# Altium PCB uTCA_MCH_PCB3.pcbdoc (part 13 of 25) (continued)
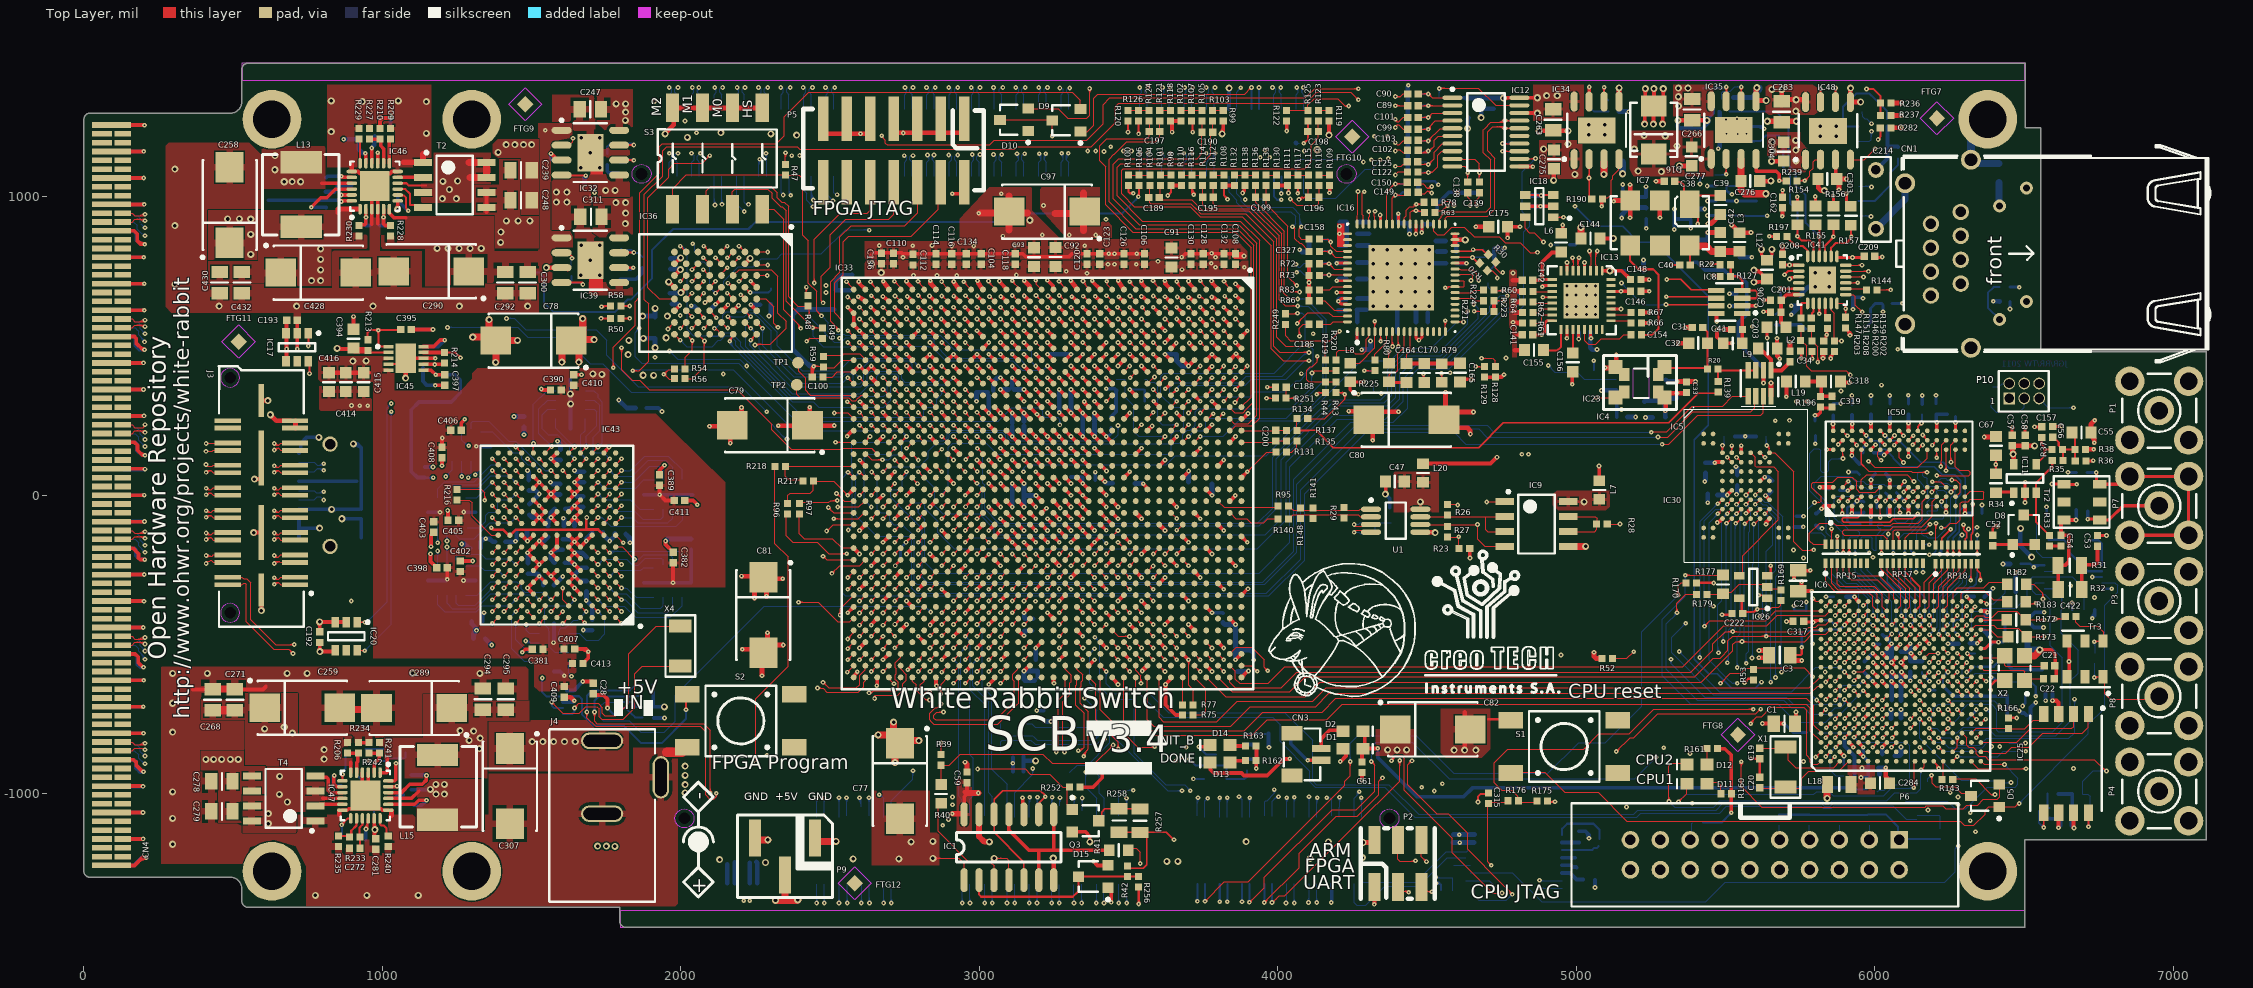
[diagram p0: Top Layer view]
## Nets (pads, with @x,y where several pads share a name; then routed paths per layer and width w, separated by ;. In a path a pad name is that pad's centre, name@x,y a point inside that pad or via, vN(x,y) a via of type N, cw(c..) or ccw(c..) an arc to the next point about the centre after c; other vN are vias at no path point) (continued)
MGTRX116_0_P: IC33.G3 J1.65 | length 1086.3
  Top Layer w3.94: v1@3622.05,624.02 cw(c3622.05,609.76) 3632.13,619.84 cw(c3642.21,629.92) v1@3627.95,629.92 ; v1(3622.05,629.92) IC33.G3@3641.73,610.24
  MidLayer2 w3.54: v1(3537.39,1366.14) 3545.6,1357.93 ; v1@3538.5,1360.14 cw(c3539.96,1352.29) 3545.6,1357.93 ; v1@3543.4,1365.03 ccw(c3551.24,1363.58) 3545.6,1357.93 ; v1(3622.05,629.92) 3643.7,629.92 3648.62,634.84 ; v1@3626.36,625.61 cw(c3636.78,615.19) 3636.78,629.92 cw(c3636.78,644.65) v1@3626.36,634.24 ; 3648.62,635.22 3656.12,642.72 3665.94,642.72 3677.55,654.33 3677.55,729.55 3697.63,749.63 3697.63,828.32 3693.12,832.83 3681.52,832.83 3677.94,836.41 3677.94,847.55 3682.51,852.12 3694.33,852.12 3697.63,855.42 3697.63,965.75 3582.58,1080.8 3582.58,1220.33 3545.6,1257.31 3545.6,1357.93
  Bottom Layer w3.94: v1@3535.24,1360.64 cw(c3530.35,1348.17) 3543.74,1348.17 ; J1.65@3536.61,1293.9 3536.61,1342.2 3543.74,1349.33 3543.74,1358.81 v1@3538.33,1364.23 ; v1@3536.68,1364.31 cw(c3532.61,1353.94) 3543.74,1353.94 ; v1@3538.11,1367.97 cw(c3534.87,1359.71) 3543.74,1359.71
MGTRX116_1_N: IC33.E4 J1.71 | length 1068.9
  Top Layer w3.94: v1@3700.79,584.65 cw(c3700.79,570.39) 3710.87,580.47 cw(c3720.95,590.55) v1@3706.69,590.55 ; v1(3700.79,590.55) IC33.E4@3720.47,570.87
  MidLayer2 w3.54: v1@3633.68,1365.56 cw(c3623.04,1364.54) 3630.6,1356.98 ; v1@3639.18,1360.06 ccw(c3638.16,1349.43) 3630.6,1356.98 ; v1(3639.76,1366.14) 3630.6,1356.98 ; v1(3700.79,590.55) 3718.15,607.92 3718.15,636 3724.57,642.42 3753.49,642.42 3764.67,653.6 3764.67,753.12 3750.03,767.76 3750.03,1039.86 3667.64,1122.25 3667.64,1170.42 3678.41,1181.19 3678.41,1233.67 3630.6,1281.48 3630.6,1356.98 ; v1@3700.79,596.65 ccw(c3700.79,611.39) 3711.2,600.97 ccw(c3721.62,590.55) v1@3706.89,590.55
  Bottom Layer w3.94: v1@3636.36,1361.31 ccw(c3633.35,1357.03) 3629.64,1360.73 ; J1.71@3636.77,1293.9 3636.77,1342.2 3629.64,1349.33 3629.64,1360.73 ; v1(3639.76,1366.14) 3635.06,1366.14 3629.64,1360.73
MGTRX116_1_P: IC33.E3 J1.69 | length 1042.2
  Top Layer w3.94: v1@3700.79,624.02 cw(c3700.79,609.76) 3710.87,619.84 cw(c3720.95,629.92) v1@3706.69,629.92 ; v1(3700.79,629.92) IC33.E3@3720.47,610.24
  MidLayer2 w3.54: v1(3613.29,1366.14) 3620.76,1358.68 ; 3620.76,1358.23 3620.76,1277.4 3668.57,1229.59 3668.57,1185.27 3657.8,1174.5 3657.8,1118.17 3740.19,1035.78 3740.19,763.68 3754.83,749.04 3754.83,702.6 3750.64,698.41 3732.24,698.41 3727.53,693.7 3727.53,683.16 3731.26,679.43 3749.69,679.43 3754.83,674.29 3754.83,657.68 3749.42,652.27 3720.5,652.27 3708.31,640.08 3708.31,637.44 v1(3700.79,629.92)
  Bottom Layer w3.94: v1@3610.82,1360.78 cw(c3605.17,1348.48) 3618.7,1348.48 ; J1.69@3611.57,1293.9 3611.57,1342.2 3618.7,1349.33 3618.7,1360.73 v1(3613.29,1366.14) ; v1@3612.47,1364.35 cw(c3607.99,1354.62) 3618.7,1354.62
MGTRX116_2_N: IC33.D6 J1.75 | length 1147
  Top Layer w3.94: v1@3740.16,505.91 cw(c3740.16,491.65) 3750.24,501.73 cw(c3760.32,511.81) v1@3746.06,511.81 ; v1(3740.16,511.81) IC33.D6@3759.84,492.13
  MidLayer2 w3.54: v1@3708.49,1365.51 cw(c3698.12,1364.44) 3705.49,1357.07 ; v1@3713.93,1360.07 ccw(c3712.86,1349.7) 3705.49,1357.07 ; v1(3714.56,1366.14) 3705.49,1357.07 ; v1(3740.16,511.81) 3764.17,535.83 3764.17,598.14 3770.37,604.34 3790.56,604.34 3805.15,618.93 3805.15,726.39 3821.44,742.68 3821.44,823.15 3801.08,843.51 3801.08,1099.17 3818.28,1116.37 3818.61,1169.56 3705.49,1282.68 3705.49,1357.07 ; v1@3740.16,517.91 ccw(c3740.16,532.65) 3750.57,522.23 ccw(c3760.99,511.81) v1@3746.26,511.81
  Bottom Layer w3.94: v1@3711.17,1361.3 ccw(c3708.23,1357.1) 3704.6,1360.73 ; J1.75@3711.73,1293.9 3711.73,1342.2 3704.6,1349.33 3704.6,1360.73 ; v1(3714.56,1366.14) 3710.02,1366.14 3704.6,1360.73
MGTRX116_2_P: IC33.D5 J1.73 | length 1150.5
  Top Layer w3.94: v1@3740.16,545.28 cw(c3740.16,531.02) 3750.24,541.1 cw(c3760.32,551.18) v1@3746.06,551.18 ; v1(3740.16,551.18) IC33.D5@3759.84,531.5
  MidLayer2 w3.54: v1(3688.25,1366.14) 3695.65,1358.75 3695.65,1278.6 3808.9,1165.35 3808.9,1120.91 3794.12,1106.13 3791.24,1103.25 3791.24,839.43 3811.6,819.07 3811.6,794.92 3808.8,792.12 3804.03,792.12 3797.27,785.36 3797.27,777.11 3801.55,772.83 3807.03,772.83 3811.6,768.26 3811.6,746.75 3795.31,730.47 3795.31,707.86 3791.54,704.09 3777.11,704.09 3775.62,702.61 3775.62,688.86 3780.21,684.28 3792.69,684.28 3795.31,681.66 3795.31,623.01 3786.48,614.18 3766.29,614.18 3763.41,611.3 3754.33,602.22 3754.33,565.35 v1(3740.16,551.18) ; v1@3740.16,557.28 ccw(c3740.16,572.02) 3750.57,561.6 ccw(c3760.99,551.18) v1@3746.26,551.18
  Bottom Layer w3.94: v1@3685.78,1360.78 cw(c3680.13,1348.48) 3693.67,1348.48 ; J1.73@3686.54,1293.9 3686.54,1342.2 3693.67,1349.33 3693.67,1360.73 v1(3688.25,1366.14) ; v1@3687.43,1364.35 cw(c3682.95,1354.62) 3693.67,1354.62
MGTRX116_3_N: IC33.B6 J1.79 | length 1105.4
  Top Layer w3.94: v1@3818.9,505.91 cw(c3818.9,491.65) 3828.98,501.73 cw(c3839.06,511.81) v1@3824.8,511.81 ; v1(3818.9,511.81) IC33.B6@3838.58,492.13
  MidLayer2 w3.54: v1@3783.26,1366.14 cw(c3768.53,1366.14) 3778.95,1355.72 cw(c3789.36,1345.3) v1@3789.36,1360.04 ; v1(3789.36,1366.14) 3777.57,1354.35 3777.57,1312.21 3862.39,1227.39 3862.39,753.12 3873.79,741.72 3880.91,734.6 3880.91,575.52 3873.79,568.4 3848.9,543.51 ; v1@3819.92,511.22 3827.83,519.13 ; v1@3820.93,517.56 ccw(c3823.14,523.82) 3827.83,519.13 ; v1@3825,511.99 cw(c3834.68,512.28) 3827.83,519.13 ; 3848.87,543.51 3827.83,522.47 3827.83,519.13
  Bottom Layer w3.94: v1@3785.98,1361.3 ccw(c3783.11,1357.18) 3779.56,1360.73 ; J1.79@3786.69,1293.9 3786.69,1342.2 3779.56,1349.33 3779.56,1360.73 ; v1(3789.36,1366.14) 3784.98,1366.14 3779.56,1360.73
MGTRX116_3_P: IC33.B5 J1.77 | length 1110.7
  Top Layer w3.94: v1@3818.9,545.28 cw(c3818.9,531.02) 3828.98,541.1 cw(c3839.06,551.18) v1@3824.8,551.18 ; v1(3818.9,551.18) IC33.B5@3838.58,531.5
  MidLayer2 w3.54: v1(3759.84,1366.14) 3767.73,1358.25 ; v1@3761.14,1360.18 cw(c3762.67,1353.19) 3767.73,1358.25 ; v1@3765.8,1364.84 ccw(c3772.79,1363.31) 3767.73,1358.25 ; v1@3818.35,550.47 3841.91,550.47 3844.8,553.36 3871.06,579.6 3871.06,730.53 3855.43,746.16 3852.55,749.04 3852.55,765.27 3848.3,769.52 3836.66,769.52 3832.86,773.32 3832.86,785.18 3836.49,788.81 3849.37,788.81 3852.55,791.99 3852.55,1223.31 3767.73,1308.13 3767.73,1358.25 ; v1@3820.71,552.99 ccw(c3826.79,559.07) 3826.79,550.47 ; v1@3823.21,546.87 cw(c3831.92,538.16) 3831.92,550.47 ; v1@3823.21,555.5 ccw(c3835.34,567.62) 3835.34,550.47
  Bottom Layer w3.94: J1.77@3761.5,1293.9 3761.5,1342.2 3768.63,1349.33 3768.63,1360.73 ; v1@3763.15,1361.25 cw(c3765.57,1357.67) 3768.63,1360.73 ; v1@3763.21,1366.14 3768.63,1360.73 ; v1@3765.74,1366.14 ccw(c3771.84,1366.14) 3767.53,1361.83
MGTTX112_0_N: IC33.AP2 J1.2 | length 1114.4
  Top Layer w3.94: v1@2558.55,658.36 cw(c2558.55,637.36) IC33.AP2@2573.4,652.21 ; v1@2558.55,662.3 cw(c2558.55,650.8) 2566.68,658.93 ; v1@2558.92,666.7 IC33.AP2@2578.6,647.02 ; v1@2564.46,664.27 ccw(c2571.96,664.27) 2566.65,658.96
  MidLayer1 w3.54: v1(1960.63,1145.67) 1968.66,1137.64 ; v1@1961.84,1139.69 cw(c1963.34,1132.32) 1968.66,1137.64 ; v1@1966.61,1144.45 ccw(c1973.97,1142.95) 1968.66,1137.64 ; 2545.46,681.15 cw(c2528.58,664.27) v1@2552.45,664.27 ; 2551.51,675.1 cw(c2540.68,664.27) v1@2555.99,664.27 ; 2554.59,672.01 ccw(c2558.55,675.97) v1@2558.55,670.37 ; v1(2558.55,664.27) 2558.55,667.04 2559.05,667.55 2539.92,686.68 2518.69,686.68 2506.24,699.14 2506.24,714.85 2369.45,851.64 2134.17,851.64 2134.09,851.56 2082.43,851.56 1977.53,956.46 1977.53,1100.33 1968.66,1109.21 1968.66,1137.64
  Bottom Layer w3.94: J1.2@1961.81,1068.31 1961.81,1115.82 1969.43,1123.44 1969.43,1139.76 ; v1@1963.56,1140.54 cw(c1965.99,1136.32) 1969.43,1139.76 ; v1@1963.53,1145.67 1969.43,1139.76 ; v1@1966.53,1145.67 ccw(c1973.78,1145.67) 1968.65,1140.54
MGTTX112_0_P: IC33.AP1 J1.4 | length 1104
  Top Layer w3.94: v1@2555.07,709.75 cw(c2555.07,697.22) 2563.93,706.08 ; v1@2556.34,713.68 IC33.AP1@2576.02,694 ; v1@2560.98,715.66 ccw(c2576.96,715.66) 2565.66,704.36
  MidLayer1 w3.54: v1@1984.05,1145.67 cw(c1969.32,1145.67) 1979.74,1135.25 cw(c1990.15,1124.83) v1@1990.15,1139.56 ; v1(1990.15,1145.67) 1978.5,1134.01 1978.5,1113.28 1987.37,1104.41 1987.37,960.54 2086.51,861.4 2130.01,861.4 2130.1,861.48 2373.52,861.48 2474.53,760.48 2479.7,760.48 2485.98,766.76 2491.01,766.76 2496.27,761.5 2496.27,756.54 2490.37,750.64 2490.37,744.64 2516.08,718.93 2516.08,703.22 2522.77,696.53 2535.94,696.53 v1(2555.07,715.66) ; v1@2548.97,715.66 cw(c2534.24,715.66) 2544.65,705.24 cw(c2555.07,694.83) v1@2555.07,709.56
  Bottom Layer w3.94: J1.4@1987.01,1068.31 1987.01,1115.82 1979.39,1123.44 1979.39,1139.76 ; v1@1987.04,1140.65 ccw(c1983.77,1135.38) 1979.39,1139.76 ; v1(1990.15,1145.67) 1985.29,1145.67 1979.39,1139.76
MGTTX112_1_N: IC33.AN4 J1.8 | length 1144.4
  Top Layer w3.94: v1@2598.43,584.65 cw(c2598.43,570.39) 2608.51,580.47 cw(c2618.59,590.55) v1@2604.33,590.55 ; v1(2598.43,590.55) IC33.AN4@2618.11,570.87
  MidLayer1 w3.54: 2054.87,1019.21 2054.87,991.94 2121.56,925.25 2392.64,925.25 2580.73,737.16 2580.73,706.02 2586.29,700.46 2596.57,700.46 2599.45,697.58 2619.53,677.5 2619.53,611.66 v1@2600.27,592.39 ; 2054.89,1019.23 2054.89,1135.6 ; v1@2058.86,1145.52 cw(c2045.31,1145.18) 2054.89,1135.6 ; v1@2064.81,1139.57 ccw(c2064.47,1126.02) 2054.89,1135.6 ; v1(2064.96,1145.67) 2054.89,1135.6 ; v1@2598.43,596.65 ccw(c2598.43,611.39) 2608.84,600.97 ccw(c2619.26,590.55) v1@2604.53,590.55
  Bottom Layer w3.94: J1.8@2061.97,1068.31 2061.97,1115.82 2054.35,1123.44 2054.35,1135.06 v1(2064.96,1145.67)
MGTTX112_1_P: IC33.AN3 J1.6 | length 1109.3
  Top Layer w3.94: v1(2598.43,629.92) IC33.AN3@2618.11,610.24
  MidLayer1 w3.54: v1(2035.43,1145.67) 2045.05,1136.05 2045.05,1085.03 2041.91,1081.89 2030.69,1081.89 2028.61,1079.81 2028.61,1072.6 2031.24,1069.97 2040.11,1069.97 2045.05,1065.03 2045.05,1046.37 2043.15,1044.47 2031.39,1044.47 2029.15,1042.23 2029.15,1033.72 2031.39,1031.48 2041.11,1031.48 2045.05,1027.54 2045.05,1023.31 2045.03,987.86 2117.48,915.41 2388.31,915.41 2570.53,733.19 2570.53,732.82 2570.89,732.46 2570.89,701.95 2582.21,690.62 2592.49,690.62 2609.69,673.42 2609.69,641.19 v1(2598.43,629.92) ; v1@2598.43,636.02 ccw(c2598.43,650.76) 2608.84,640.34 ccw(c2619.26,629.92) v1@2604.53,629.92
  Bottom Layer w3.94: v1(2035.43,1145.67) 2038.11,1142.99 2044.39,1136.7 2044.39,1123.44 2036.77,1115.82 J1.6@2036.77,1068.31
MGTTX112_2_N: IC33.AM2 J1.12 | length 910.1
  Top Layer w3.94: v1@2637.8,662.4 cw(c2637.8,645.77) 2649.56,657.53 ; v1@2638.78,668.31 IC33.AM2@2657.48,649.61 ; v1@2643.7,668.31 ccw(c2655.58,668.31) 2647.18,659.9
  MidLayer3 w3.54: v1(2137.8,974.41) 2130.65,967.26 2130.65,931.4 2151.86,910.19 2374.61,910.19 2524.78,760.02 2626.13,760.02 2645.66,740.49 2645.66,731.44 2652.91,724.19 2652.91,722.29 2652.76,722.14 2652.76,703.51 2637.8,688.55 v1(2637.8,668.31) ; v1@2633.48,672.62 ccw(c2623.06,683.04) 2637.8,683.04 ccw(c2652.53,683.04) v1@2642.11,672.62
  Bottom Layer w3.94: v1@2133.62,978.59 ccw(c2125.63,986.58) 2136.93,986.58 ; 2136.93,990.76 ccw(c2154.14,990.76) v1@2141.97,978.59 ; J1.12@2136.93,1068.31 2136.93,975.27 v1(2137.8,974.41)
MGTTX112_2_P: IC33.AM1 J1.10 | length 1002.3
  Top Layer w3.94: v1@2635.34,709.09 cw(c2635.34,704.21) 2638.79,707.66 ; v1@2635.83,710.63 IC33.AM1@2657.48,688.98 ; v1@2637.31,715 ccw(c2651.44,715) 2641.45,705.01 ; v1@2641.25,715 ccw(c2664.88,715) 2648.17,698.29
  MidLayer3 w3.54: v1@2109.86,968.13 cw(c2083.42,941.69) 2120.81,941.69 ; v1@2112.36,970.63 cw(c2091.98,950.25) 2120.81,950.25 ; v1@2114.87,973.14 cw(c2100.53,958.8) 2120.81,958.8 ; v1@2115.57,973.83 2120.81,968.59 2120.81,927.32 2147.78,900.35 2172.38,900.35 2176.72,896.01 2176.72,881.07 2180.62,877.17 2191.9,877.17 2196.01,881.28 2196.01,896.83 2199.53,900.35 2370.53,900.35 2520.7,750.18 2622.05,750.18 2635.82,736.41 v1@2635.82,710.63 ; v1@2117.37,975.64 cw(c2109.09,967.35) 2120.81,967.35 ; v1@2631.02,719.32 ccw(c2619.45,730.89) 2635.82,730.89 ; 2635.82,728.57 ccw(c2648.91,728.57) v1@2639.66,719.32 ; v1@2635.83,710.63 v1@2637.8,708.66
  Bottom Layer w3.94: v1@2110,976.62 ccw(c2105.81,980.8) 2111.73,980.8 ; 2111.73,983.09 ccw(c2124.82,983.09) v1@2115.57,973.83 ; 2111.73,992.59 ccw(c2134.32,992.59) v1@2118.35,976.62 ; J1.10@2111.73,1068.31 2111.73,976.85 2114.17,974.41 v1(2114.17,972.44)
  other v1: 2635.34,715
MGTTX112_3_N: IC33.AK2 J1.16 | length 950.7
  Top Layer w3.94: v1@2716.54,669.29 IC33.AK2@2736.22,649.61 ; v1@2717.25,661.56 cw(c2717.25,644.64) 2729.22,656.61 ; v1@2723.16,667.47 ccw(c2734.74,667.47) 2726.55,659.28
  MidLayer4 w3.54: v1@2223.65,968.95 cw(c2221.44,964.54) 2226.37,964.54 ; v1(2226.37,974.41) 2226.37,964.54 ; v1@2229.1,968.95 ccw(c2231.31,964.54) 2226.37,964.54 ; v1@2712.93,671.79 ccw(c2704.24,680.48) 2716.54,680.48 ; v1@2716.54,669.29 2716.54,695.48 2730.68,709.63 2730.68,722.67 2724.77,728.58 2724.77,812.48 2724.77,832.16 2687.13,869.8 2321.11,869.8 2226.37,964.54 ; 2716.54,675.37 ccw(c2725.15,675.37) v1@2719.06,669.28 ; 2716.54,683.93 ccw(c2733.71,683.93) v1@2721.57,671.79
  Bottom Layer w3.94: J1.16@2211.89,1068.31 2211.89,981.02 ; 2215.51,977.4 ccw(c2221.29,983.18) v1@2225.39,976.11 ; v1@2222.44,970.47 2211.89,981.02 ; v1@2223.41,979.52 cw(c2218.63,987.76) 2211.89,981.02
  other v1: 2717.25,667.47
MGTTX112_3_P: IC33.AK1 J1.14 | length 952.9
  Top Layer w3.94: v1@2715.3,711.05 cw(c2715.3,698.25) 2724.35,707.31 ; v1@2715.68,715.98 2734.41,697.25 IC33.AK1@2734.41,688.33 ; v1@2721.21,716.96 ccw(c2736.92,716.96) 2725.81,705.85
  MidLayer4 w3.54: v1@2210.63,952.76 v1(2212.6,950.79) 2226.2,950.79 ; v1@2217.16,946.73 cw(c2226.2,938.67) 2226.2,950.79 ; v1@2217.16,954.85 ccw(c2226.2,962.9) 2226.2,950.79 ; v1@2710.98,721.28 ccw(c2701.46,730.8) 2714.93,730.8 ; v1@2714.79,712.37 v1@2716.53,710.63 ; v1@2714.93,716.15 2714.93,828.08 2683.05,859.96 2317.03,859.96 2277.24,899.76 2269.96,907.03 2260.41,907.03 2256.04,902.66 2246.49,902.66 2242.4,906.76 2242.4,916.3 2246.77,920.67 2246.77,930.22 2237.9,939.09 2231.08,945.91 2226.2,950.79 ; 2714.93,732.59 ccw(c2730.93,732.59) v1@2719.62,721.28 ; v1@2716.85,710.95 v1@2716.85,718.44
  Bottom Layer w3.94: J1.14@2186.69,1068.31 2186.69,975.44 v1@2211.35,950.79 ; 2200.38,961.75 ccw(c2212.6,973.97) v1@2212.6,956.69 ; 2203.4,958.73 cw(c2195.46,950.79) v1@2206.69,950.79
  other v1: 2715.3,716.96
MGTTX113_0_N: IC33.AH2 J1.20 | length 1122.4
  Top Layer w3.94: v1@2795.28,663.39 cw(c2795.28,649.13) 2805.36,659.21 cw(c2815.44,669.29) v1@2801.18,669.29 ; v1(2795.28,669.29) IC33.AH2@2814.96,649.61
  MidLayer4 w3.54: v1@2281.12,1141.35 cw(c2270.7,1130.94) 2285.43,1130.94 cw(c2300.17,1130.94) v1@2289.75,1141.35 ; v1(2285.43,1145.67) 2285.43,1129.71 2358.99,1056.15 2728.22,1056.15 2731.1,1053.27 2814.81,969.56 2814.81,688.83 v1(2795.28,669.29) ; v1@2795.28,675.39 ccw(c2795.28,690.13) 2805.69,679.71 ccw(c2816.11,669.29) v1@2801.38,669.29
  Bottom Layer w3.94: v1@2281.26,1141.49 cw(c2267.76,1127.99) 2286.85,1127.99 ; v1@2284.04,1144.28 cw(c2277.26,1137.5) 2286.85,1137.5 ; J1.20@2286.85,1068.31 v1@2286.85,1144.25 ; 2286.85,1134.83 cw(c2296.27,1134.83) v1@2289.61,1141.49
MGTTX113_0_P: IC33.AH1 J1.18 | length 1120.6
  Top Layer w3.94: v1@2794.14,711.05 cw(c2794.14,703.7) 2799.34,708.9 ; v1@2796.09,715.3 2796.09,712.15 2814.96,693.28 IC33.AH1@2814.96,688.98 ; v1@2796.11,716.96 ccw(c2807.77,716.96) 2799.52,708.72 ; v1@2800.05,716.96 ccw(c2821.21,716.96) 2806.24,702
  MidLayer4 w3.54: v1@2265.75,1124.02 v1(2263.78,1125.98) 2275.24,1125.98 ; v1@2268.84,1122.58 cw(c2275.24,1118.28) 2275.24,1125.98 ; v1@2268.84,1129.39 ccw(c2275.24,1133.69) 2275.24,1125.98 ; v1@2796.03,715.6 2804.97,724.54 ; v1@2796.29,722.67 ccw(c2799.18,730.33) 2804.97,724.54 ; v1@2800.24,716.96 cw(c2807.13,716.96) 2802.26,721.83 ; 2275.24,1125.98 2280.05,1121.17 2286.87,1114.35 2295.74,1105.48 2295.74,1095.93 2291.37,1091.56 2291.37,1082.01 2295.46,1077.92 2305.01,1077.92 2309.38,1082.29 2318.93,1082.29 2323.02,1078.2 2323.02,1068.65 2318.65,1064.28 2318.65,1054.73 2322.74,1050.64 2332.29,1050.64 2336.66,1055.01 2346.21,1055.01 2354.91,1046.31 2364.56,1046.31 2377.09,1046.31 2383.85,1039.56 2383.85,1033.38 2390.6,1026.62 2396.39,1026.62 2403.14,1033.38 2403.14,1039.56 2409.89,1046.31 2422.43,1046.31 2431.22,1046.31 2724.14,1046.31 2804.97,965.48 2804.97,724.54
  Bottom Layer w3.94: v1@2259.6,1121.81 cw(c2254.65,1116.86) 2261.65,1116.86 ; J1.18@2261.65,1068.31 2261.65,1123.86 v1(2263.78,1125.98) ; J1.18@2261.65,1106.6 cw(c2283.17,1106.6) v1@2267.96,1121.81 ; 2261.65,1116.1 cw(c2273.66,1116.1) v1@2265.17,1124.59
  other v1: 2794.14,716.96
MGTTX113_1_N: IC33.AF2 J1.24 | length 891.7
  Top Layer w3.94: v1@2874.02,669.29 IC33.AF2@2893.7,649.61 ; v1@2874.09,661.84 cw(c2874.09,644.05) 2886.67,656.63 ; v1@2880,667.75 ccw(c2890.71,667.75) 2883.13,660.17
  MidLayer3 w3.54: v1(2367.86,1005.26) 2360.33,997.73 2360.33,988.71 2410.88,938.16 2440.35,938.16 2514.67,863.84 2611.83,863.84 2701.01,774.66 2858.69,774.66 2883.89,749.46 2883.89,727.67 2889.23,722.33 2889.23,684.11 v1@2870.21,665.09 ; v1@2874.09,673.85 ccw(c2874.09,685.64) 2882.42,677.3 ; v1@2876.65,667.75 cw(c2885.77,667.75) 2879.32,674.2 ; v1@2880.19,667.75 cw(c2897.87,667.75) 2885.37,680.25
  Bottom Layer w3.94: J1.24@2361.81,1068.31 2362.8,1067.32 2362.8,1019.18 ; v1@2362.8,1010.32 2362.8,1019.18 ; v1(2367.86,1005.26) 2366.44,1006.68 2366.44,1015.54 2362.8,1019.18
  other v1: 2874.09,667.75
MGTTX113_1_P: IC33.AF1 J1.22 | length 828.3
  Top Layer w3.94: v1@2873.16,713.1 IC33.AF1@2892.84,693.42
  MidLayer3 w3.54: v1@2346.35,1004.51 2350.49,1000.38 2350.49,984.63 2352.14,982.98 2377.75,957.37 2377.75,952.35 2368.52,943.12 2368.52,937.46 2378.83,927.15 2384.36,927.15 2393.51,936.3 2398.82,936.3 2406.8,928.32 2436.27,928.32 2453.56,911.03 2453.56,903.95 2446.36,896.75 2446.36,892.57 2454.29,884.64 2457.11,884.64 2464.59,892.12 2472.47,892.12 2510.59,854 2607.75,854 2696.93,764.82 2854.61,764.82 2874.05,745.38 v1@2874.05,716.38
  Bottom Layer w3.94: J1.22@2336.61,1068.31 2336.61,1015.03 ; v1@2339.76,1008.66 2336.61,1011.81 2336.61,1015.03 ; v1@2341.37,1010.27 2336.61,1015.03
  other v1: 2873.48,715.81 2342.52,1005.91
MGTTX113_2_N: IC33.AD2 J1.28 | length 952.6
  Top Layer w3.94: v1@2952.72,669.32 IC33.AD2@2972.44,649.61 ; v1@2953.21,662.4 cw(c2953.21,646.87) 2964.19,657.86 ; v1@2959.12,668.31 ccw(c2972.1,668.31) 2962.92,659.13
  MidLayer3 w3.54: v1@2443.62,983.01 cw(c2443.62,966.59) 2455.23,978.2 ; v1@2447.09,986.34 2460.44,972.99 2470.58,972.99 2488.58,954.99 2766.39,954.99 2960.85,760.53 2960.85,724.23 2963.6,721.48 2963.6,708.44 2951.92,696.76 v1@2951.92,669.32 ; v1@2449.72,989.11 ccw(c2462.76,989.11) 2453.54,979.89 ; v1@2948.89,672.63 ccw(c2941.6,679.92) 2951.92,679.92 ; 2951.92,677.61 ccw(c2962.51,677.61) v1@2955.02,670.12 ; 2951.92,686.17 ccw(c2971.07,686.17) v1@2957.53,672.63
  Bottom Layer w3.94: v1@2436.77,991.39 J1.28@2436.77,1068.31 ; 2436.77,1000.89 ccw(c2455.4,1000.89) v1@2442.23,987.72 ; 2436.77,1010.39 ccw(c2464.9,1010.39) v1@2445.01,990.5 ; 2436.77,1019.9 ccw(c2474.41,1019.9) v1@2447.8,993.29
  other v1: 2953.21,668.31 2443.62,989.11
MGTTX113_2_P: IC33.AD1 J1.26 | length 941.4
  Top Layer w3.94: v1@2947.14,714.28 IC33.AD1@2972.44,688.98 ; v1@2947.85,709.06 cw(c2947.85,698.16) 2955.55,705.86 ; v1@2953.75,714.96 ccw(c2971.37,714.96) 2958.91,702.5
  MidLayer3 w3.54: v1@2442.19,965.86 ccw(c2451.53,974.58) 2451.53,961.81 ; v1@2444.78,968.28 ccw(c2459.68,982.19) 2459.68,961.81 ; v1@2445.98,961.81 2467.84,961.81 ; v1@2447.37,970.7 ccw(c2467.84,989.81) 2467.84,961.81 ; v1@2943.53,719.28 ccw(c2925.48,737.33) 2951.01,737.33 ; v1@2946.04,716.77 ccw(c2934.04,728.77) 2951.01,728.77 ; v1(2947.85,714.96) 2951.01,718.12 2951.01,756.45 2762.31,945.15 2536.92,945.15 2533.31,941.54 2533.31,928.69 2530.09,925.47 2524.3,925.47 2519.6,930.16 2519.6,940.43 2514.88,945.15 2484.5,945.15 2467.84,961.81
  Bottom Layer w3.94: J1.26@2411.57,1068.31 2411.57,1021.33 2421.15,1011.75 ; 2421.15,1011.63 2421.15,988.73 2442.91,966.97 v1(2442.91,966.54) ; 2432.53,977.35 cw(c2421.71,966.54) v1@2437.01,966.54 ; 2433.57,976.31 ccw(c2442.91,985.66) v1@2442.91,972.44
MGTTX113_3_N: IC33.AB2 J1.32 | length 1015.9
  Top Layer w3.94: v1@3031.5,669.29 v1@3034.19,666.6 ; v1@3034.19,659.9 cw(c3034.19,643.75) IC33.AB2@3045.62,655.17 ; v1(3034.19,665.81) v1@3034.19,666.6 ; v1@3040.1,665.81 ccw(c3052.45,665.81) 3043.71,657.07 ; IC33.AB2@3051.18,649.61 v1@3034.19,666.6
  MidLayer3 w3.54: v1@2521.87,1002.76 ccw(c2511.46,992.35) 2511.46,1007.08 ccw(c2511.46,1021.81) v1@2521.87,1011.4 ; v1@2526.19,1007.08 2510.49,1007.08 2498.33,1019.24 2498.33,1025.34 2509.49,1036.5 2769.01,1036.5 2894.42,911.09 2939.43,911.09 3016.62,833.9 3016.62,725.98 3014.63,723.99 3014.63,685.37 v1(3034.19,665.81) ; v1@3028.09,665.81 ccw(c3013.36,665.81) 3023.77,676.23 ccw(c3034.19,686.64) v1@3034.19,671.91
  Bottom Layer w3.94: J1.32@2511.73,1068.31 2511.73,1013.72 ; 2515.36,1010.09 ccw(c2521.13,1015.86) v1@2525.21,1008.79 ; v1@2523.24,1012.2 cw(c2518.48,1020.46) 2511.73,1013.72 ; v1@2526.82,1006.64 2518.81,1006.64 2511.73,1013.72
  other v1: 2523.42,1007.21
MGTTX113_3_P: IC33.AB1 J1.30 | length 1094.7
  Top Layer w3.94: v1@3030.38,711.56 cw(c3030.38,706.02) 3034.3,709.94 ; v1@3030.54,718.7 3030.54,713.7 3051.18,693.06 IC33.AB1@3051.18,688.98 ; v1@3032.35,717.47 ccw(c3045.82,717.47) 3036.29,707.95 ; v1@3036.29,717.47 ccw(c3059.26,717.47) 3043.01,701.23
  MidLayer3 w3.54: 2494.06,1009.59 cw(c2470.69,986.22) v1@2503.74,986.22 ; 2500.11,1003.54 cw(c2482.79,986.22) v1@2507.28,986.22 ; 2506.16,997.49 cw(c2494.88,986.22) v1@2510.83,986.22 ; v1(2509.84,986.22) 2509.84,993.81 2488.49,1015.16 2488.49,1029.42 2505.41,1046.34 2773.09,1046.34 2898.5,920.93 2943.51,920.93 2946.39,918.05 3026.46,837.98 3026.46,721.39 v1(3030.38,717.47) ; 3026.46,724.56 ccw(c3037.47,724.56) v1@3029.68,716.77 ; 3026.46,733.11 ccw(c3046.02,733.11) v1@3032.19,719.28 ; 3026.46,741.67 ccw(c3054.58,741.67) v1@3034.7,721.79
  Bottom Layer w3.94: J1.30@2486.54,1068.31 2486.54,1009.53 v1(2509.84,986.22) ; v1@2503.94,986.22 ccw(c2489.68,986.22) 2499.76,996.3 ccw(c2509.84,1006.38) v1@2509.84,992.13
MGTTX114_0_N: IC33.Y2 J1.36 | length 1164
  Top Layer w3.94: v1@3110.24,663.39 cw(c3110.24,649.13) 3120.32,659.21 cw(c3130.4,669.29) v1@3116.14,669.29 ; v1(3110.24,669.29) IC33.Y2@3129.92,649.61
  MidLayer2 w3.54: v1@2771.45,1137.79 ccw(c2756.72,1137.79) 2767.14,1148.21 ccw(c2777.55,1158.63) v1@2777.55,1143.9 ; v1(2777.55,1137.79) 2765.92,1149.42 2765.92,1176.25 2755.65,1186.52 2752.77,1189.4 2711.95,1189.4 2692.32,1169.77 2692.32,805.04 2695.2,802.16 2737.37,759.99 2946.5,759.99 2970.15,736.34 2970.15,707.22 2973.03,704.34 2988.43,688.94 3090.59,688.94 v1(3110.24,669.29) ; v1@3104.13,669.29 ccw(c3089.4,669.29) 3099.82,679.71 ccw(c3110.24,690.13) v1@3110.24,675.39
  Bottom Layer w3.94: J1.36@2774.41,1068.31 2774.41,1115.82 2766.79,1123.44 2766.79,1133.86 2770.72,1137.79 v1(2777.55,1137.79)
MGTTX114_0_P: IC33.Y1 J1.34 | length 1181.6
  Top Layer w3.94: v1@3110.02,712.52 cw(c3110.02,704.16) 3115.94,710.07 ; v1@3111.99,718.43 ccw(c3122.63,718.43) 3115.11,710.9 ; v1@3111.99,719.61 3111.99,714.02 3129.92,696.09 IC33.Y1@3129.92,688.98 ; v1@3115.93,718.43 ccw(c3136.07,718.43) 3121.83,704.18
  MidLayer2 w3.54: v1(2748.03,1137.79) 2756.08,1145.85 ; v1@2749.23,1143.78 ccw(c2750.72,1151.2) 2756.08,1145.85 ; v1@2754.01,1139 cw(c2761.44,1140.49) 2756.08,1145.85 ; v1@3103.92,718.43 cw(c3089.19,718.43) 3099.6,708.01 cw(c3110.02,697.6) v1@3110.02,712.33 ; v1(3110.02,718.43) 3090.37,698.78 2992.51,698.78 2979.99,711.3 2979.99,740.42 2950.58,769.83 2741.45,769.83 2702.16,809.12 2702.16,1091.97 2708.36,1098.17 2715.09,1098.17 2721.85,1104.92 2721.85,1110.71 2715.09,1117.46 2708.91,1117.46 2702.16,1124.21 2702.16,1130 2708.91,1136.75 2715.09,1136.75 2721.85,1143.51 2721.85,1149.29 2715.09,1156.04 2706.32,1156.04 2702.16,1160.2 2702.16,1165.69 2716.03,1179.56 2748.69,1179.56 2756.08,1172.17 2756.08,1145.85
  Bottom Layer w3.94: J1.34@2749.21,1068.31 2749.21,1115.82 2756.83,1123.44 2756.83,1130.96 ; v1@2750,1137.8 2756.83,1130.96 ; v1@2750.23,1132.31 cw(c2752.51,1126.63) 2756.83,1130.96 ; v1@2753.93,1137.79 ccw(c2763.42,1137.79) 2756.71,1131.09
MGTTX114_1_N: IC33.V2 J1.40 | length 962.4
  Top Layer w3.94: v1@3188.98,669.29 IC33.V2@3208.66,649.61 ; v1@3189.91,662.95 cw(c3189.91,649.91) 3199.13,659.13 ; v1@3195.82,668.86 ccw(c3211.29,668.86) 3200.35,657.92
  MidLayer2 w3.54: 2841.64,1116.64 cw(c2863.65,1116.64) v1@2851.13,1134.75 ; 2841.64,1123.4 cw(c2858.97,1123.4) v1@2849.11,1137.66 ; 2841.64,1130.16 cw(c2854.3,1130.16) v1@2847.09,1140.57 ; v1@2845.94,1138.05 2841.64,1133.75 2841.64,1117.44 2841.39,1117.19 2841.39,944.46 2873.52,912.33 2873.58,912.33 2991.01,794.9 3152.63,794.9 3207.92,739.61 3207.92,686.87 v1(3189.91,668.86) ; v1@3189.91,674.96 ccw(c3189.91,689.69) 3200.33,679.28 ccw(c3210.74,668.86) v1@3196.01,668.86
  Bottom Layer w3.94: 2841.75,1122.41 cw(c2854.5,1122.41) v1@2849.82,1134.27 ; 2841.75,1128.19 cw(c2852.22,1128.19) v1@2848.38,1137.93 ; 2841.75,1133.98 cw(c2849.94,1133.98) v1@2846.93,1141.59 ; v1@2845.69,1139.76 2841.75,1135.83 2841.75,1123.44 2849.37,1115.82 J1.40@2849.37,1068.31
  other v1: 2847.65,1139.76
MGTTX114_1_P: IC33.V1 J1.38 | length 957.8
  Top Layer w3.94: v1@3186.05,715.54 cw(c3180.32,706.35) 3191.15,706.35 ; 3191.15,711.05 cw(c3198.68,711.05) v1@3193.36,716.37 ; v1@3191.15,720.3 3191.15,706.49 IC33.V1@3208.66,688.98
  MidLayer2 w3.54: v1@2821.58,1135.45 cw(c2797.5,1111.37) 2831.55,1111.37 ; v1@2824.08,1137.95 cw(c2806.05,1119.93) 2831.55,1119.93 ; v1@2826.59,1140.46 cw(c2814.61,1128.48) 2831.55,1128.48 ; v1@2826.79,1138.87 2831.55,1134.11 2831.55,1094.14 2827.74,1090.33 2808,1090.33 2804.19,1086.52 2804.19,1075.99 2809.14,1071.04 2826.85,1071.04 2831.55,1066.34 2831.55,940.38 2869.44,902.49 2869.5,902.49 2986.93,785.06 3148.55,785.06 3198.08,735.53 3198.08,726.72 ; v1@3190.72,719.36 3198.08,726.72 ; v1@3192.14,725.89 ccw(c3194.56,730.24) 3198.08,726.72 ; v1@3195.28,720.55 cw(c3203.42,720.55) 3197.67,726.31
  Bottom Layer w3.94: v1@2823.72,1134.27 cw(c2819.04,1122.41) 2831.8,1122.41 ; J1.38@2824.17,1068.31 2824.17,1115.82 2831.8,1123.44 2831.8,1135.83 v1@2827.86,1139.76 ; v1@2825.17,1137.93 cw(c2821.32,1128.19) 2831.8,1128.19 ; v1@2826.61,1141.59 cw(c2823.61,1133.98) 2831.8,1133.98
  other v1: 3189.18,720.55 2825.89,1139.76
MGTTX114_2_N: IC33.T2 J1.44 | length 821
  Top Layer w3.94: v1@3267.72,663.39 cw(c3267.72,649.13) 3277.8,659.21 cw(c3287.88,669.29) v1@3273.62,669.29 ; v1(3267.72,669.29) IC33.T2@3287.4,649.61
  MidLayer2 w3.54: v1@2921.06,1139.76 cw(c2906.32,1139.76) 2916.74,1129.34 cw(c2927.16,1118.93) v1@2927.16,1133.66 ; v1(2927.16,1139.76) 2916.5,1129.1 2916.5,1102.27 2944.18,1074.59 3240.91,777.85 3241.13,777.85 3285.08,733.9 3285.08,686.66 v1(3267.72,669.29) ; v1@3267.72,675.39 ccw(c3267.72,690.13) 3278.13,679.71 ccw(c3288.55,669.29) v1@3273.82,669.29
  Bottom Layer w3.94: v1@2924.07,1134.73 ccw(c2920.94,1129.63) 2916.71,1133.86 ; J1.44@2924.33,1068.31 2924.33,1115.82 2916.71,1123.44 2916.71,1133.86 ; v1(2927.16,1139.76) 2922.61,1139.76 2916.71,1133.86